# KiCad board Video Board - Signals.kicad_pcb (continued)
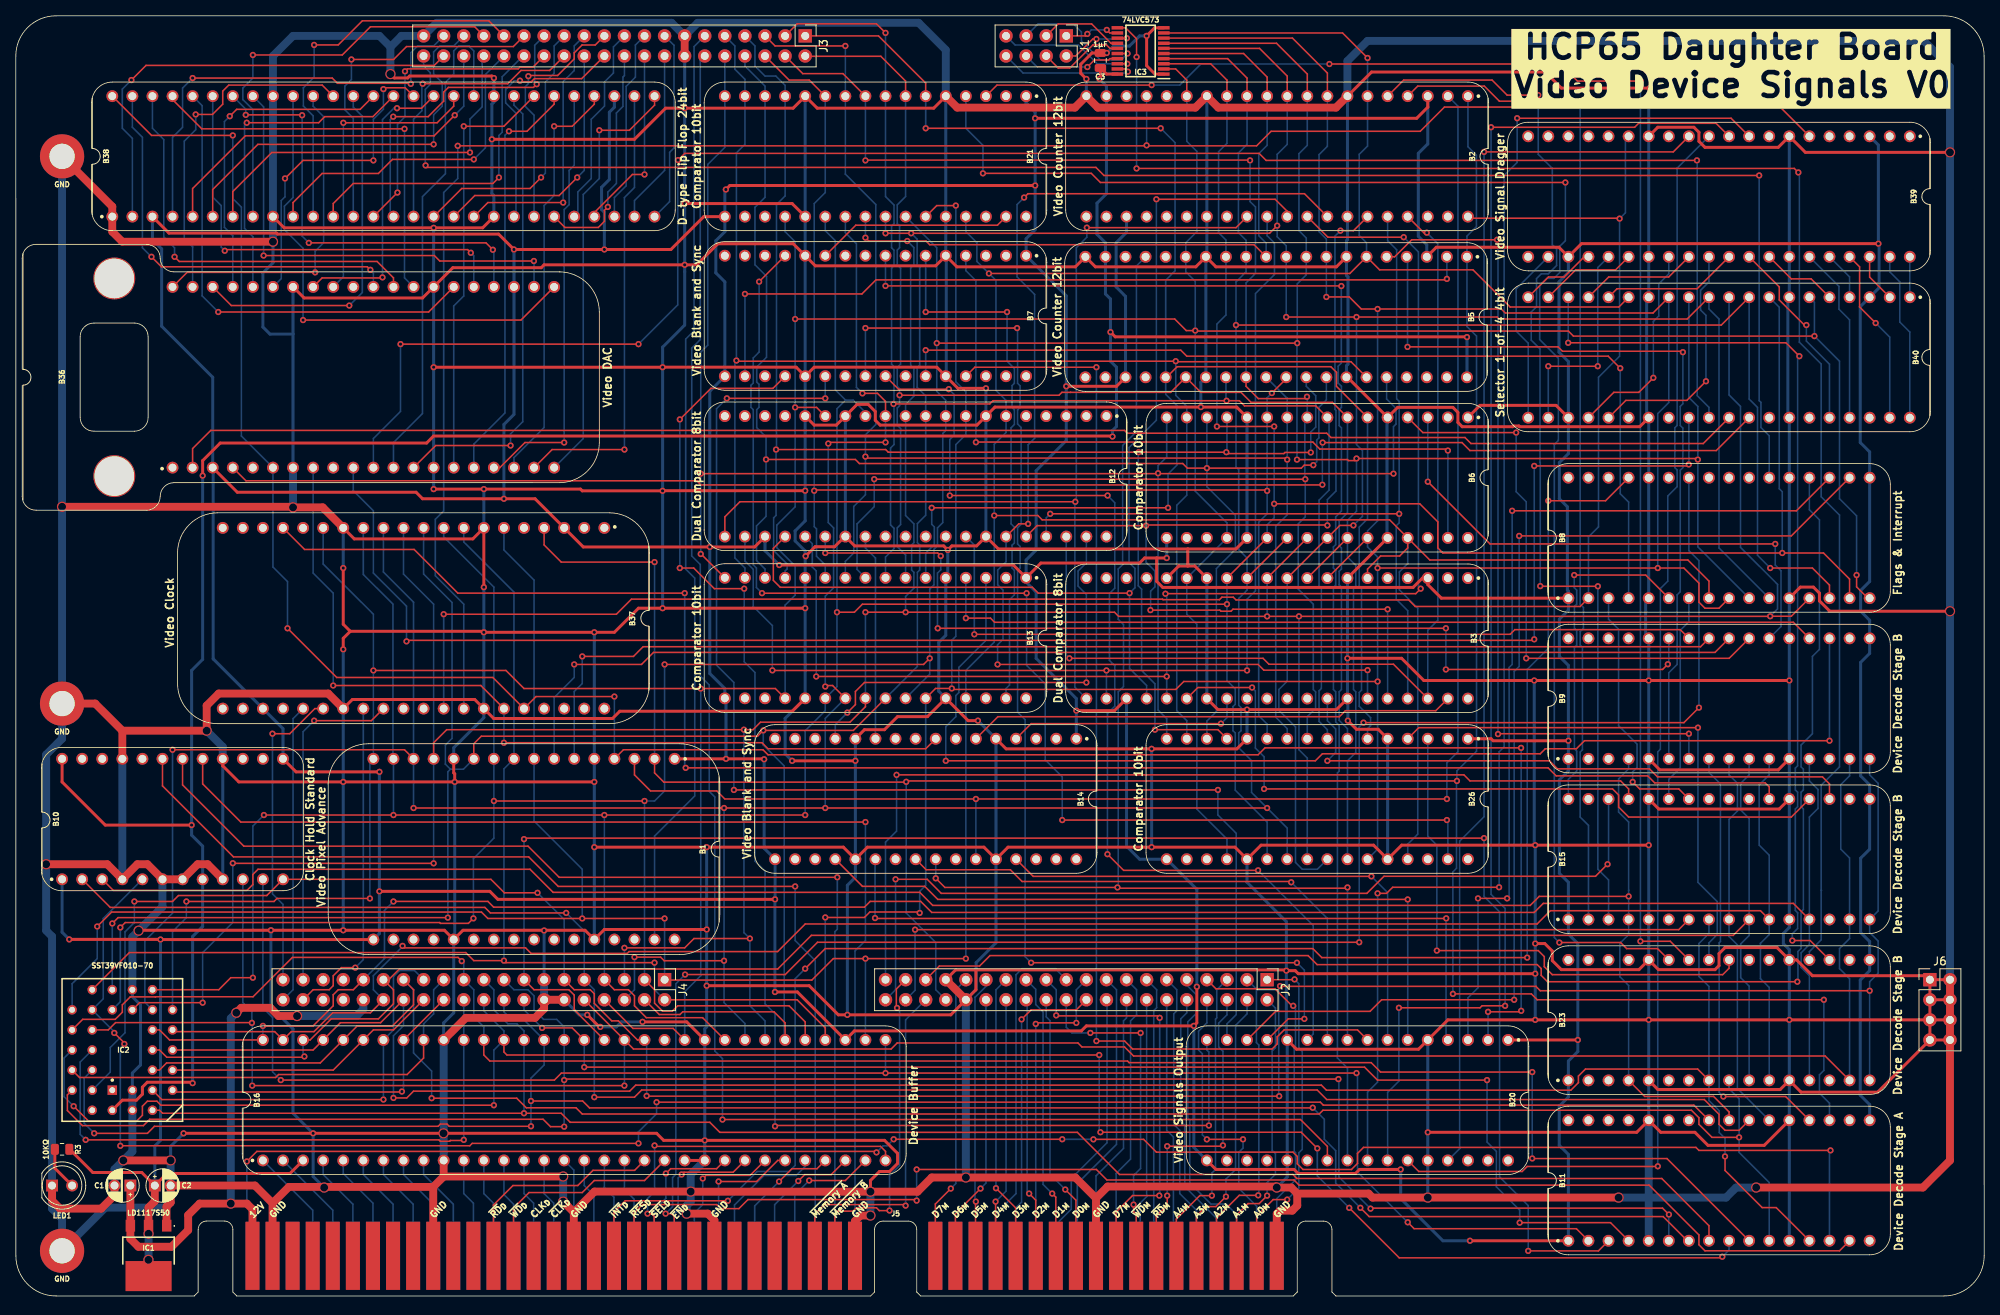
[diagram p0: board, top side]
## Routing (per net, layer and track width the routed paths; a pad name or vN(x,y) marks a point on that pad's centre or on a via; arc(x,y) is an arc through that point) (continued)
/Advance Pixel: length 117.3
  Bottom w0.2: 80.78,45.67 80.78,58.17 85.86,63.25 85.86,90.8 84.72,91.95 84.72,121.03 85.78,122.09 85.78,158.03 J3.11
/Blue0: length 24.4
  Bottom w0.2: J3.15 83.24,158.19 83.24,145.21 82.69,144.65 82.69,138.43 B38.28
/Blue1: length 21.9
  Bottom w0.2: B38.27 78.24,138.56 82.05,142.37 J3.16
/Blue2: length 24.4
  Bottom w0.2: J3.17 78.36,158.23 78.36,154.17 77.19,153 77.19,140.43 75.7,138.94 B38.26
/Blue3: length 23.3
  Top w0.2: v1(79.51,141.86) 77.98,141.86 73.16,137.04
  Bottom w0.2: J3.18 v1(79.51,141.86)
/Blue4: length 25.3
  Bottom w0.2: J3.19 75.58,158 75.58,154.69 74.45,153.57 74.45,150.52 72.77,148.84 72.77,141.34 71.08,139.65 71.08,136.53
/Blue5: length 29.2
  Top w0.2: v1(74.87,137.75) 74.43,137.31 74.43,135.92 73.67,135.15 69.45,135.15 B38.23
  Bottom w0.2: v1(74.87,137.75) 74.87,139.63 75.95,140.72 75.95,149.63 76.79,150.47 76.79,154.18 76.97,154.36 J3.20
/Blue6: length 30.5
  Top w0.2: v1(64.82,154.29) 64.91,154.38 68.53,154.38 70.62,156.47 70.62,157.24 71.61,158.23 73.28,158.23 J3.21
  Bottom w0.2: B38.22 65.54,149.35 64.44,150.45 64.44,152.97 64.82,153.35 v1(64.82,154.29)
/Blue7: length 30.7
  Top w0.2: J3.22 71.56,153.98 65.58,153.98 65.19,153.58 63.89,153.58 v1(63.76,153.72)
  Bottom w0.2: 63.25,136.78 63.25,149.61 61.95,150.91 61.95,152.62 63.05,153.72 v1(63.76,153.72)
/D0: length 546.6
  Top w0.2: B13.20 96.05,76.84 v1(86.62,76.84) 64.27,76.84 61.98,79.12 v1(45.22,79.12) ; v1(98.56,123.57) 146.57,123.57 148.03,122.11 v1(149.16,122.11) 149.23,122.05 196.35,122.05 196.98,121.41 v1(227.47,121.41) ; v1(44.78,50.28) 33.03,50.28 32.65,49.9 v1(21.57,49.9) ; IC3.2 146.68,155.21 148.09,153.8 B2.15 ; J4.8 78.05,33.84 83.13,33.84 B16.43 ; v1(232.8,91.19) 232.8,89.69 234.23,88.27 ; v1(98.56,112.4) 101.27,112.4 B12.15
  Bottom w0.2: v1(21.57,49.9) 21.57,47.85 19.82,46.1 IC2.13 ; 44.78,67.51 v1(44.78,50.28) ; B2.15 148.09,146.05 149.36,144.78 149.36,134.62 147.96,133.22 B5.15 147.96,129.54 149.16,128.34 v1(149.16,122.11) 149.16,101.8 153.17,97.79 B6.20 B3.15 148.09,86.23 149.36,84.96 149.36,61.6 153.17,57.79 B26.20 ; B21.20 97.29,134.62 98.56,133.35 v1(98.56,123.57) v1(98.56,112.4) 98.56,99.82 96.24,97.5 96.24,94.65 98.56,92.33 98.56,88.65 97.29,87.38 B13.20 ; B37.15 38.87,92.58 45.22,86.23 v1(45.22,79.12) B1.16 ; v1(86.62,76.84) 86.62,40.51 84.59,38.48 B16.43 ; v1(232.8,91.19) 232.8,98.68 230.64,100.84 230.64,118.24 v1(227.47,121.41) 227.47,125.7 B40.6
/D1: length 547.3
  Top w0.2: J4.7 75.7,38.74 77.48,38.74 78.24,37.97 78.24,36.7 79.75,35.2 86.86,35.2 B16.41 ; v1(153.17,87.5) 107.07,87.5 106.05,86.49 v1(103.85,86.49) ; v1(99.83,60.83) v1(74.43,60.83) v1(47.76,60.83) v1(31.38,60.83) ; v1(159.14,109.98) v1(151.9,109.98) ; IC2.14 25.66,38.74 27.19,40.26 v1(29.98,40.26) ; B8.15 231.91,90.68 228.61,93.98 v1(223.4,93.98) 180.47,93.98 179.84,94.62 179.84,97.92 177.55,100.2 v1(159.14,100.2) ; IC3.3 151.11,155.86 153.17,153.8 B2.13 ; B3.13 B6.22
  Bottom w0.2: B21.22 102.37,134.75 103.64,133.48 103.64,114.62 104.94,113.32 ; v1(29.98,40.26) 29.98,59.44 v1(31.38,60.83) ; 107.45,111.76 105.89,113.32 104.94,113.32 ; 104.94,113.32 103.85,112.22 v1(103.85,86.49) 103.85,77.08 B13.22 102.37,74.04 99.83,71.5 v1(99.83,60.83) ; B37.13 43.95,91.26 47.69,87.51 47.69,68.01 ; B3.13 v1(153.17,87.5) 153.17,77.85 154.22,76.8 154.22,74.84 153.93,74.55 153.93,71.5 154.22,71.21 154.22,63.97 158.25,59.94 B26.22 ; B6.22 158.25,97.54 159.14,98.43 v1(159.14,100.2) 159.14,109.98 v1(159.14,109.98) ; J4.7 v1(74.43,60.83) ; B1.15 v1(47.76,60.83) ; B40.8 223.02,125.06 223.02,102.11 223.4,101.73 v1(223.4,93.98) ; B2.13 153.17,145.8 152.11,144.74 152.11,134.49 153.04,133.56 B5.13 153.04,124.08 151.9,122.94 v1(151.9,109.98)
/D2: length 581.2
  Top w0.2: v1(19.82,69.09) 49.16,69.09 B1.14 ; v1(154.31,122.81) 215.69,122.81 B40.9 ; v1(107.07,114.17) 108.97,114.17 109.99,113.16 B12.12 ; IC3.4 153.26,156.51 155.71,154.05 B2.12 ; v1(78.24,42.86) 81.54,42.86 82,42.4 v1(89.57,42.4) ; 104.6,75.91 103.3,77.22 102.5,77.22 v1(102.37,77.09) ; v1(50.3,61.72) v1(89.57,61.72) v1(102.37,61.72) v1(158.25,61.72) ; B8.14 229.37,89.92 227.21,92.08 v1(221.88,92.08) ; v1(102.75,107.82) 102.9,107.97 v1(109.99,107.97) ; B3.12 B6.23
  Bottom w0.2: v1(78.24,42.86) 78.24,38.74 J4.6 ; B12.12 v1(109.99,107.97) ; v1(221.88,92.08) 220.27,93.69 220.27,112.4 219.21,113.45 B40.9 ; v1(19.82,69.09) 19.82,48.42 16.32,44.92 16.32,37.15 IC2.15 ; B13.23 102.37,73.06 v1(102.37,61.72) ; v1(102.37,77.09) 102.37,88.52 103.42,89.57 103.42,97.16 102.75,97.83 v1(102.75,107.82) ; B21.23 104.91,134.49 106.31,133.1 106.31,114.94 v1(107.07,114.17) ; v1(89.57,61.72) v1(89.57,42.4) 89.57,37.11 92.21,34.47 B16.40 ; B2.12 155.71,145.67 154.62,144.58 154.62,134.49 155.58,133.53 B5.12 155.58,129.54 154.31,128.27 v1(154.31,122.81) 154.31,104.86 154.65,104.52 154.65,94.4 155.71,93.35 B3.12 155.71,89.28 154.66,88.23 154.66,74.71 154.95,74.42 154.95,71.5 154.66,71.21 154.66,69.33 156.28,67.71 156.28,63.69 v1(158.25,61.72) 160.79,59.18 B26.23 ; v1(50.3,61.72) B1.14 50.3,87.76 46.49,91.57 B37.12
/D3: length 577.5
  Top w0.2: v1(27.44,54.74) 27.45,54.73 v1(52.84,54.73) ; B5.11 156.6,132.97 115.58,132.97 115.11,133.44 v1(112.74,133.44) 107.87,133.44 v1(107.45,133.86) ; v1(23.63,37.1) 15.64,37.1 IC2.17 ; B2.11 158.25,154.18 155.27,157.16 IC3.5 ; B8.13 224.54,85.98 v1(221.88,85.98) 221.86,85.96 v1(162.28,85.96) v1(158.25,85.96) 139.47,85.96 138.95,86.49 v1(112.53,86.49) v1(107.45,86.49) ; B13.24 107.45,74.54 105.49,72.58 94.18,72.58 93.23,71.63 v1(92.08,71.63) 54.49,71.63 52.84,69.98 B1.13 ; B3.11 B6.24 ; v1(92.83,45.21) 85.77,45.21 84.59,44.03 v1(76.97,44.03)
  Bottom w0.2: v1(23.63,37.1) 23.63,43.43 27.44,47.24 v1(27.44,54.74) ; B40.10 216.67,113.97 218.12,112.52 218.12,94.69 222.8,90.01 222.8,86.9 v1(221.88,85.98) ; B16.39 94.75,34.8 92.83,36.71 v1(92.83,45.21) 92.08,45.96 v1(92.08,71.63) ; v1(52.84,54.73) B1.13 52.84,87.5 49.03,91.31 B37.11 ; v1(112.53,86.49) 112.53,88.48 113.58,89.53 113.58,91.53 113.29,91.82 113.29,95 113.58,95.29 113.58,97.66 112.53,98.71 B12.11 112.53,112.78 113.58,113.83 113.58,117.31 113.17,117.73 113.17,130.01 113.58,130.43 113.58,132.6 v1(112.74,133.44) ; v1(158.25,85.96) B3.11 ; B5.11 158.12,133.18 157.19,134.11 157.19,144.49 158.25,145.54 B2.11 ; B13.24 v1(107.45,86.49) ; v1(162.28,85.96) 162.28,69.09 163.33,68.04 B26.24 ; J4.5 v1(76.97,44.03) ; B21.24 v1(107.45,133.86)
/D4: length 563.2
  Top w0.2: IC3.6 157.29,157.81 160.79,154.31 B2.10 ; B3.10 B6.25 167.46,97.47 v1(169.16,97.47) ; v1(159.52,135.38) 158.56,134.42 v1(113.24,134.42) v1(109.99,134.42) ; B16.38 97.29,34.54 95.89,35.94 84.34,35.94 83.99,35.6 81.38,35.6 J4.4 ; v1(160.66,123.83) v1(169.55,123.83) 187.33,123.83 187.59,123.57 211.37,123.57 B40.11 ; v1(54.64,47.86) 12.94,47.86 v1(12.2,47.12) ; B13.25 105.93,71.54 v1(94.53,71.54) 93.8,70.8 58.87,70.8 57.92,69.85 B1.11
  Bottom w0.2: 97.17,32.5 97.17,67.04 94.53,69.69 v1(94.53,71.54) ; B1.11 56.6,66.63 54.96,66.63 ; 54.96,66.63 54.32,67.27 54.32,69.68 55.17,70.53 55.17,87.72 51.57,91.31 B37.10 ; 54.96,66.63 54.64,66.3 v1(54.64,47.86) ; IC2.18 v1(12.2,47.12) ; B13.25 114.02,79.63 114.02,91.53 114.31,91.82 114.31,95 114.02,95.29 114.02,97.7 115.07,98.75 B12.10 115.07,113.85 113.98,114.94 113.98,117.4 114.31,117.73 114.31,130.1 113.98,130.43 113.98,133.67 v1(113.24,134.42) ; v1(169.16,97.47) 170.3,98.61 170.3,106.95 169.55,107.7 v1(169.55,123.83) ; B26.25 164.6,53.98 162.69,53.98 161.84,54.83 161.84,71.97 159.74,74.08 159.74,76.71 160.79,77.76 B3.10 ; B8.11 215.4,94.62 215.4,123.57 214.13,124.84 B40.11 ; B2.10 160.79,145.67 159.52,144.4 v1(159.52,135.38) 159.52,133.99 160.66,132.84 B5.10 v1(160.66,123.83) ; B21.25 v1(109.99,134.42)
/D5: length 562.2
  Top w0.2: J4.3 80.78,38.74 80.78,37.03 81.8,36.02 83.01,36.02 83.7,36.7 97.8,36.7 99.83,34.67 B16.37 ; v1(212.72,105.79) 212.58,105.93 v1(169.55,105.93) 169.29,105.66 168.54,105.66 168.41,105.79 v1(162.03,105.79) ; v1(79.51,62.61) v1(60.46,62.61) ; v1(13.22,46.61) 13.84,47.23 53.6,47.23 53.7,47.13 57.24,47.13 v1(57.87,47.77) ; B2.9 163.33,154.56 159.43,158.46 IC3.7 ; v1(162.06,120.52) v1(116.47,120.52) ; B3.9 B6.26 ; v1(82.05,79.88) 114.8,79.88 v1(115.58,80.66)
  Bottom w0.2: v1(169.55,105.93) 169.55,99.26 168.41,98.11 B6.26 168.41,93.47 169.46,92.42 169.46,89.82 169.17,89.54 169.17,76.71 169.46,76.42 169.46,68.74 168.41,67.69 B26.26 ; v1(13.22,46.61) 13.22,37.21 IC2.19 ; J4.3 v1(79.51,62.61) 80.78,62.61 82.05,63.88 v1(82.05,79.88) ; v1(57.87,47.77) 57.87,55.32 60.46,57.91 v1(60.46,62.61) B1.10 60.46,89.66 54.11,96.01 B37.9 ; B8.10 212.72,94.75 v1(212.72,105.79) 212.72,112.51 211.59,113.64 B40.12 ; B2.9 163.33,145.54 162.27,144.49 162.27,134.75 163.2,133.82 B5.9 163.2,129.16 162.06,128.02 v1(162.06,120.52) 162.03,120.49 v1(162.03,105.79) ; B13.26 115.58,78.65 v1(115.58,80.66) 115.58,89.41 116.12,89.95 116.12,94.45 116.56,94.89 116.56,97.16 117.23,97.82 117.23,109.09 117.61,109.47 B12.9 117.61,113.28 116.47,114.43 v1(116.47,120.52) 116.47,132.59 B21.26
/D6: length 598.1
  Top w0.2: v1(165.74,126.37) 168.64,126.37 170.16,124.84 v1(172.22,124.84) 187.87,124.84 188.38,124.33 207.05,124.33 B40.13 ; B16.36 102.37,33.91 98.81,37.47 J4.2 ; v1(80.77,42.16) 61.99,42.16 v1(61.73,42.42) 57.92,42.42 56.9,43.43 14.36,43.43 IC2.20 ; B8.9 215.4,87 213.62,87 212.86,87.76 212.86,90.17 210.95,92.08 v1(207.65,92.08) v1(172.22,92.08) ; IC3.8 161.45,159.11 165.87,154.69 B2.8 ; B3.8 B6.27 ; v1(172.22,77.72) 147.71,77.72 146.7,76.72 118.5,76.72 v1(118.37,76.85) 116.32,76.85 B13.27 ; B21.27 116.47,137.92 v1(118.88,137.92) ; v1(114.31,48.45) 114.19,48.57 108.01,48.57 107.32,47.88 v1(102.37,47.88)
  Bottom w0.2: B12.8 120.15,114.36 118.88,115.63 v1(118.88,137.92) ; 120.15,110.98 120.15,108.96 118.88,107.69 118.88,83.44 118.37,82.93 v1(118.37,76.85) ; v1(61.73,42.42) 61.73,66.68 B1.9 63,89.03 56.65,95.38 B37.8 ; B13.27 115.07,51.94 114.31,51.18 v1(114.31,48.45) ; v1(80.77,42.16) 80.77,38.74 J4.2 ; B26.27 172.22,56.52 v1(172.22,77.72) v1(172.22,92.08) 172.22,93.47 170.95,94.74 B6.27 170.95,96.77 172.22,98.04 v1(172.22,124.84) ; v1(207.65,92.08) 207.65,111.61 209.05,113.01 B40.13 ; B16.36 v1(102.37,47.88) ; B2.8 165.87,145.42 164.81,144.36 164.81,134.62 165.74,133.69 B5.8 v1(165.74,126.37)
/D7: length 578.6
  Top w0.2: B40.15 202.73,125.1 188.98,125.1 184.28,129.79 172.47,129.79 B5.6 168.71,129.34 v1(123.07,129.34) ; v1(10.3,46.74) 12.12,48.56 58.89,48.56 59.7,47.75 v1(71.64,47.75) v1(82.05,47.75) ; v1(123.74,98.71) 129.26,98.71 129.8,98.17 173.74,98.17 B6.29 ; v1(170.95,156.59) 167.79,159.76 IC3.9 ; B6.29 178.82,93.09 211.46,93.09 214.13,90.42 B8.8 ; B6.29 176.03,94.62 175.01,93.6 172.6,93.6 170.95,91.95 B3.6 ; v1(120.15,42.67) v1(107.45,42.67) 103.39,42.67 100.67,39.96 82.1,39.96
  Bottom w0.2: B21.29 120.15,134.62 121.55,133.22 121.55,130.86 v1(123.07,129.34) 123.96,128.45 123.96,114.55 125.23,113.28 B12.6 125.23,109.22 123.74,107.73 v1(123.74,98.71) 123.74,82.71 120.15,79.12 B13.29 v1(120.15,42.67) ; IC2.21 7.12,39.5 10.3,42.67 v1(10.3,46.74) ; B5.6 170.82,133.22 169.89,134.15 169.89,144.4 170.95,145.45 B2.6 v1(170.95,156.59) ; B37.6 61.73,94.36 65.54,90.55 B1.8 65.54,60.07 71.64,53.98 v1(71.64,47.75) ; B6.29 176.03,92.65 174.98,91.59 174.98,89.32 177.3,87 177.3,58.42 176.03,57.15 B26.29 ; J4.1 v1(82.05,47.75) ; B16.34 v1(107.45,42.67)
/First Pixel: length 156.1
  Top w0.2: v1(168.41,51.68) 168.31,51.58 139.43,51.58 v1(139.33,51.68) 117.5,51.68 v1(116.34,52.83)
  Bottom w0.2: B14.25 v1(116.34,52.83) ; B5.17 141.72,130.29 141.72,109.33 139.98,107.59 139.98,92.51 139.42,91.95 139.42,85.6 140.09,84.93 140.09,77.09 139.42,76.42 139.42,51.77 v1(139.33,51.68) ; B20.9 v1(168.41,51.68)
/First Pixel HC: length 174.2
  Top w0.2: v1(109.99,127.76) 167.62,127.76 v1(167.64,127.74)
  Bottom w0.2: B7.8 v1(109.99,127.76) ; B20.24 168.41,28.83 167.14,30.1 167.14,66.17 167.36,66.39 167.36,72.17 166.92,72.61 166.92,76.42 166.63,76.71 166.63,89.62 166.92,89.91 166.92,91.79 166.63,92.08 166.63,94.74 166.92,95.03 166.92,98.55 167.65,99.28 167.65,109.81 167.36,110.1 167.36,112.11 167.65,112.4 167.65,115.06 167.23,115.48 167.23,117.6 167.64,118 v1(167.64,127.74)
/First Row: length 133.8
  Top w0.2: v1(117.99,114.7) 111.63,114.7 B7.25 ; v1(157.11,53.84) 140.1,53.84 v1(138.06,55.88) ; v1(118.12,101.25) v1(138.07,101.25)
  Bottom w0.2: B20.11 164.08,33.14 164.08,46.86 v1(157.11,53.84) ; v1(118.12,101.25) 118.12,108.33 118.66,108.88 118.66,114.03 v1(117.99,114.7) ; v1(138.07,101.25) 138.98,100.34 138.98,89.54 138.31,88.86 138.31,80.39 138.98,79.72 138.98,74.59 138.06,73.66 v1(138.06,55.88)
/Green0: length 34.2
  Top w0.2: B38.19 59.7,138.3 v1(69.22,138.3)
  Bottom w0.2: J3.23 70.62,158.12 70.62,155.01 69.22,153.61 v1(69.22,138.3)
/Green1: length 33.4
  Top w0.2: v1(71,141.48) 68.72,139.19 58.05,139.19 B38.18
  Bottom w0.2: J3.24 71.89,142.37 v1(71,141.48)
/Green2: length 34.8
  Top w0.2: B38.17 56.4,140.08 65.03,140.08 v1(66.43,141.48)
  Bottom w0.2: v1(66.43,141.48) 66.97,142.02 66.97,153.54 68.08,154.65 68.08,158.12 J3.25
/Green3: length 36.6
  Top w0.2: v1(51.45,153.33) 62.22,153.33 63.9,155.02 67.52,155.02 J3.26
  Bottom w0.2: v1(51.45,153.33) 51.35,153.23 51.35,149.92 50.3,148.86 B38.16
/Green4: length 39.6
  Top w0.2: v1(65.87,153.27) 65.47,152.87 54.71,152.87 54.11,152.27 54.11,151.13 52.15,149.17 v1(47.73,149.17)
  Bottom w0.2: v1(47.73,149.17) 47.36,148.79 47.36,136.93 ; v1(65.87,153.27) 65.62,153.52 65.62,158.2 J3.27
/Green5: length 38.4
  Top w0.2: v1(49.22,154.9) 49.53,155.21 63.53,155.21 63.73,155.42 65.38,155.42 J3.28 ; B38.14 v1(48.27,139.57)
  Bottom w0.2: v1(48.27,139.57) 48.27,148.21 49.22,149.16 v1(49.22,154.9)
/Green6: length 43.7
  Top w0.2: J3.29 62.92,158.04 49.41,158.04 47.78,156.4 v1(42.44,156.4)
  Bottom w0.2: v1(42.44,156.4) 42.44,153.86 41.61,153.04 41.61,150.04 42.68,148.97 B38.13
/Green7: length 40.6
  Top w0.2: B38.12 40.14,138.18 42.68,140.72 60.33,140.72 v1(61.09,141.48)
  Bottom w0.2: v1(61.09,141.48) 61.09,146.78 61.51,147.2 61.51,154.21 64.14,156.85
/H3: length 129.2
  Top w0.2: v1(135.45,135.13) 154.31,135.13 B2.29 ; B12.21 89.67,98.55 91.58,100.46 v1(133.99,100.46)
  Bottom w0.2: B3.21 133.94,77.02 133.94,100.41 v1(133.99,100.46) 134.12,100.59 134.12,132.59 135.45,133.92 v1(135.45,135.13)
/H4: length 141.2
  Top w0.2: v1(155.71,79.12) v1(137.93,79.12) 95.69,79.12 v1(95.68,79.13)
  Bottom w0.2: v1(137.93,79.12) B3.22 ; v1(155.71,79.12) 155.71,88.14 156.78,89.21 156.78,126.8 159.18,129.2 159.18,133.18 158.25,134.11 B2.30 ; B12.22 92.21,92.96 93.26,91.91 93.26,87.22 95.68,84.79 v1(95.68,79.13)
/H5: length 135.8
  Top w0.2: B12.24 95.8,94.57 95.8,90.52 96.68,89.64 128.55,89.64 129.29,88.9 v1(140.85,88.9) ; B2.31 160.79,137.2 159.27,138.72 v1(144.24,138.72)
  Bottom w0.2: B3.24 143.01,77.22 140.85,79.38 v1(140.85,88.9) 141.53,89.58 141.53,92.03 140.79,92.77 140.79,107.32 144.24,110.78 v1(144.24,138.72)
/H6: length 167.1
  Top w0.2: v1(177.67,89.47) 177.04,88.83 145.4,88.83 v1(145.39,88.82) ; v1(145.55,78.36) v1(101.23,78.36) ; v1(175.52,133.92) 165.93,133.92 B2.32
  Bottom w0.2: B12.25 100.73,95.15 100.73,92.2 101.23,91.71 v1(101.23,78.36) ; v1(175.52,133.92) 177.38,132.06 177.38,89.75 v1(177.67,89.47) ; v1(145.39,88.82) 145.4,88.82 145.55,88.68 v1(145.55,78.36) B3.25
/H7: length 154
  Top w0.2: B2.33 162.97,139.42 128,139.42 v1(127.52,138.94) ; v1(124.16,79.88) 157.11,79.88 157.83,79.16 v1(170.95,79.16) ; v1(128.02,97.66) 126.84,97.66 B12.35
  Bottom w0.2: B12.35 125.23,92.87 124.18,91.82 124.18,89.95 124.85,89.28 124.85,83.06 124.16,82.37 v1(124.16,79.88) ; v1(127.52,138.94) 126.63,138.05 126.63,128.91 128.85,126.68 128.85,108.5 128.02,107.67 v1(128.02,97.66) ; B3.35 v1(170.95,79.16)
/H8: length 133.8
  Top w0.2: v1(165.87,97.47) 165.82,97.52 143.02,97.52 v1(142.94,97.44) 129.15,97.44 B12.36 ; v1(173.49,86.86) 173.48,86.87 153.93,86.87 153.68,86.61 152.41,86.61 152.27,86.75 v1(143.49,86.75) ; B2.35 169.17,134.75 v1(167.52,134.75)
  Bottom w0.2: v1(165.87,97.47) 165.87,100.73 166.96,101.82 166.96,112.01 166.83,112.14 166.83,134.06 v1(167.52,134.75) ; v1(142.94,97.44) 142.94,92.82 144.06,91.69 144.06,89.7 143.52,89.15 143.52,86.78 v1(143.49,86.75) ; v1(173.49,86.86) B3.36
/H9: length 109.5
  Top w0.2: v1(130.82,98.93) v1(174.95,98.93)
  Bottom w0.2: B3.37 176.03,86.68 174.58,88.14 174.58,97.41 174.95,97.78 v1(174.95,98.93) 174.95,113.16 174.63,113.47 174.63,132.33 173.49,133.48 B2.36 ; v1(130.82,98.93) 130.31,98.43 B12.37
/H10: length 126.3
  Top w0.2: v1(133.24,80.66) 157.73,80.66 158.48,79.91 174.23,79.91 B3.38 ; v1(178.44,134.49) 178.06,134.49 B2.37
  Bottom w0.2: B3.38 178.57,84.2 179.84,85.47 179.84,133.1 v1(178.44,134.49) ; v1(133.24,80.66) 132.85,81.05 B12.38
/HCBlue0: length 54.5
  Top w0.2: v1(73.8,147.45) 77.61,147.45 80.78,150.62 B38.29
  Bottom w0.2: v1(73.8,147.45) 73.8,141.35 71.76,139.32 71.76,108.46 B36.20
/HCBlue1: length 57.6
  Top w0.2: v1(76.97,107.06) 67.83,107.06 B36.19
  Bottom w0.2: v1(76.97,107.06) 76.97,138.94 78.24,140.21 B38.30
/HCBlue2: length 52.5
  Top w0.2: B38.32 73.16,150.75 70.37,147.96 v1(68.08,147.96)
  Bottom w0.2: B36.18 63,106.05 66.81,109.86 66.81,137.93 68.08,139.2 v1(68.08,147.96)
/HCBlue3: length 54.5
  Top w0.2: B36.17 61.21,104.78 64.39,107.95 v1(69.35,107.95)
  Bottom w0.2: v1(69.35,107.95) 69.35,137.41 69.97,138.04 69.97,142.37 70.62,143.01 B38.33
/HCBlue4: length 52.5
  Top w0.2: B38.34 68.08,150.75 64.65,147.32 v1(62.36,147.32)
  Bottom w0.2: v1(62.36,147.32) 61.86,146.81 61.86,111.69 57.92,107.75 B36.16
/HCBlue5: length 54.2
  Top w0.2: B38.35 61.73,147.96 v1(56.65,147.96)
  Bottom w0.2: B36.15 55.38,125.22 56.65,126.49 v1(56.65,147.96)
/HCBlue6: length 58.7
  Top w0.2: v1(62.57,107.57) 53.09,107.57 B36.13
  Bottom w0.2: v1(62.57,107.57) 62.57,109.04 64.11,110.59 64.11,149.51 63,150.62 B38.36
/HCBlue7: length 64.6
  Bottom w0.2: B36.12 47.76,107.95 51.43,111.62 51.43,139.05 54.33,141.95 54.33,153.51 55.38,154.56 55.38,157.48 56.02,158.12 57.28,158.12 57.92,157.48 B38.38
/HCGreen0: length 37.4
  Top w0.2: v1(41.42,148.39) 53.28,148.39 55.38,150.5 B38.39
  Bottom w0.2: B36.32 41.42,128.92 v1(41.42,148.39)
/HCGreen1: length 36.9
  Top w0.2: B38.40 51.32,150.24 v1(48.21,150.24) ; v1(46.37,128.84) 46.3,128.77 38.74,128.77 B36.33
  Bottom w0.2: v1(48.21,150.24) 47.81,150.24 46.37,148.8 v1(46.37,128.84)
/HCGreen2: length 40.3
  Top w0.2: v1(46.49,152.65) 46.65,152.82 49.25,152.82 B38.41 ; v1(45.22,143.64) 36.33,143.64 v1(34.04,141.35)
  Bottom w0.2: v1(34.04,141.35) 34.04,139.03 33.57,138.56 33.57,128.69 B36.35 ; v1(46.49,152.65) 46.49,150.11 45.22,148.84 v1(45.22,143.64)
/HCGreen3: length 41.3
  Top w0.2: B38.42 45.17,149.17 39.07,149.17 38.3,148.4 v1(29.21,148.4)
  Bottom w0.2: B36.36 29.98,133.99 28.93,135.04 28.93,148.12 v1(29.21,148.4)
/HCGreen4: length 41.5
  Top w0.2: B38.43 43.55,150.1 27.93,150.1 v1(27.06,149.23)
  Bottom w0.2: B36.37 27.44,134.11 26.38,135.17 26.38,148.55 v1(27.06,149.23)
/HCGreen5: length 45.9
  Top w0.2: B36.38 27.26,125.28 v1(42.17,125.28)
  Bottom w0.2: B38.44 42.68,150.37 43.82,149.23 43.82,126.93 v1(42.17,125.28)
/HCGreen6: length 43.3
  Top w0.2: B38.45 38.74,153.16 26.93,153.16 26.17,152.4 26.17,150.75 24.87,149.45 v1(22.75,149.45)
  Bottom w0.2: B36.39 22.36,132.72 21.31,133.77 21.31,146.08 22.75,147.52 v1(22.75,149.45)
/HCGreen7: length 42.1
  Top w0.2: B36.40 21.66,129.47 v1(37.85,129.47)
  Bottom w0.2: v1(37.85,129.47) 37.85,132.15 38.93,133.22 38.93,149.17 37.6,150.5 B38.46
/HCRed0: length 63.2
  Top w0.2: B36.21 63.88,123.44 v1(36.33,123.44)
  Bottom w0.2: v1(36.33,123.44) 36.33,132.51 33.97,134.87 33.97,137.85 35.06,138.94 B38.47
/HCRed1: length 58.5
  Top w0.2: v1(31.34,131.6) 52.93,131.6 53.62,130.91 v1(65.52,130.91)
  Bottom w0.2: B38.49 31.34,150.41 v1(31.34,131.6) ; B36.22 65.54,130.89 v1(65.52,130.91)
/HCRed2: length 55.1
  Top w0.2: v1(29.08,149.4) 36.16,149.4 v1(36.21,149.35) ; v1(37.06,133.21) 59.46,133.21 v1(60.33,132.33)
  Bottom w0.2: v1(29.08,149.4) 29.08,150.12 B38.50 ; v1(60.33,132.33) 60.46,132.21 B36.24 ; v1(36.21,149.35) 36.21,134.06 v1(37.06,133.21)
/HCRed3: length 56
  Top w0.2: v1(57.54,131.95) 57.14,132.35 26.57,132.35 v1(26.42,132.21)
  Bottom w0.2: B36.25 57.92,131.57 v1(57.54,131.95) ; v1(26.42,132.21) 25.97,132.66 25.97,137.92 24.9,139 B38.51
/HCRed4: length 59.7
  Top w0.2: B36.26 52.21,124.46 v1(25.6,124.46)
  Bottom w0.2: B38.52 23.56,150.56 23.56,126.5 v1(25.6,124.46)
/HCRed5: length 51.3
  Top w0.2: 19.82,151.33 23.52,147.63 v1(49.16,147.63)
  Bottom w0.2: B36.28 49.16,128.78 v1(49.16,147.63)
/HCRed6: length 51.4
  Top w0.2: B36.29 47.76,128.78 45.69,130.85 20.67,130.85 v1(20.07,131.45)
  Bottom w0.2: B38.54 17.28,147.7 18.71,146.27 18.71,133.95 20.07,132.59 v1(20.07,131.45)
/HCRed7: length 52
  Top w0.2: v1(44.84,129.79) 44.46,130.18 18.42,130.18 v1(17.15,131.45)
  Bottom w0.2: B36.30 45.22,129.41 v1(44.84,129.79) ; B38.55 14.74,147.83 16.01,146.56 16.01,132.59 v1(17.15,131.45)
/Horizontal Blank: length 67.4
  Top w0.2: B14.29 128.67,53.08 v1(171.44,53.08)
  Bottom w0.2: v1(171.44,53.08) 173.49,51.02 B20.7
/Horizontal Blank _{FINAL}: length 199.7
  Top w0.2: B36.2 22.36,107.19 24.66,109.48 140.22,109.48 140.57,109.13 165.78,109.13 166.33,108.59 183.27,108.59 184.03,107.82 213.4,107.82 B40.31
/Horizontal Blank C3: length 9.7
  Top w0.2: B39.33 224.54,128.65 227.05,128.65 B40.5
/Horizontal Blank C4: length 9.2
  Top w0.2: 198.36,131.45 195.8,128.89 193.83,128.89 B40.20
/Horizontal Blank HC: length 165.7
  Top w0.2: v1(207.66,16.41) 207.64,16.38 191.14,16.38 190.51,15.75 177.43,15.75 B20.27
  Bottom w0.2: v1(207.66,16.41) 207.65,16.41 207.65,68.82 207.98,69.16 207.98,89.49 208.92,90.42 208.92,101.19 210.1,102.36 210.1,104.49 209.81,104.78 209.81,109.82 210.1,110.11 210.1,142.66 B39.11
/Horizontal Blank HC3: length 6.2
  Top w0.2: B40.2 234.45,128.87 B39.38
/Horizontal Blank HC4: length 14.8
  Top w0.2: B40.17 201.45,128.89 209.03,128.89 B39.29
/Horizontal Sync: length 94.8
  Top w0.2: v1(108.66,47.8) 108.72,47.75 180.89,47.75 v1(180.9,47.76)
  Bottom w0.2: 180.88,32.62 180.88,47.74 v1(180.9,47.76) ; 108.66,55.19 v1(108.66,47.8)
/Horizontal Sync _{FINAL}: length 200.1
  Top w0.2: v1(165.27,107.94) 182.89,107.94 183.9,106.93 215.05,106.93 B40.32 ; B36.4 29.1,103.11 86.13,103.11 86.65,102.59 165.21,102.59 v1(165.23,102.62)
  Bottom w0.2: v1(165.23,102.62) 165.23,107.91 v1(165.27,107.94)
/Horizontal Sync C3: length 24.7
  Top w0.2: B39.32 223.02,127.64 223.02,125.98 226.2,122.81 v1(226.45,122.81)
  Bottom w0.2: B40.36 229.37,117.86 226.45,120.78 v1(226.45,122.81)
/Horizontal Sync C4: length 22.7
  Bottom w0.2: B40.21 191.27,120.52 189.75,122.05 189.75,127.38 B39.22
/Horizontal Sync HC: length 156.2
  Top w0.2: v1(185.68,144.71) 209.62,144.71 B39.12
  Bottom w0.2: B20.29 182.6,18.64 182.6,57.54 185.68,60.62 v1(185.68,144.71)
/Horizontal Sync HC3: length 22.5
  Top w0.2: B39.37 233.18,130.18 233.18,125.1 v1(235.21,123.06)
  Bottom w0.2: B40.39 236.99,121.29 v1(235.21,123.06)
/Horizontal Sync HC4: length 26.4
  Top w0.2: B40.24 202.1,114.3 205.26,114.3 v1(207.09,116.14)
  Bottom w0.2: B39.28 209.05,129.29 207.78,128.02 207.78,123.95 207.09,123.27 v1(207.09,116.14)
/Horizontal Sync Polarity: length 113.3
  Top w0.2: v1(188.6,50.29) v1(184.92,50.29) ; v1(189.24,99.31) 225.18,99.31 B8.19
  Bottom w0.2: B20.3 183.65,37.72 184.92,38.99 v1(184.92,50.29) ; v1(189.24,99.31) 189.24,79.88 188.86,79.5 188.86,50.55 v1(188.6,50.29)
/Last Pixel+1: length 70.5
  Top w0.2: B14.24 115.13,53.91 125.78,53.91 127.26,52.43 161.2,52.43 v1(161.3,52.33)
  Bottom w0.2: v1(161.3,52.33) 165.87,47.76 B20.10
/Last Pixel+1 HC: length 215.8
  Top w0.2: B20.23 165.87,18.92 162.48,22.32 v1(89.37,22.32)
  Bottom w0.2: 86.61,156.32 86.56,156.28 86.56,120.97 85.48,119.89 85.48,93.6 86.56,92.52 86.56,78.42 87.7,77.28 87.7,63.82 88.4,63.12 88.4,30.99 89.37,30.02 v1(89.37,22.32)
/Last Row+1: length 153.7
  Top w0.2: v1(162.96,35.05) 160.92,35.05 B20.13 ; 126.24,122.42 126.24,122.43 v1(107.45,122.43) ; v1(128.4,42.15) v1(162.02,42.15)
  Bottom w0.2: B7.24 v1(107.45,122.43) ; v1(162.96,35.05) 162.96,41.21 v1(162.02,42.15) ; v1(126.63,122.43) 126.69,122.37 126.69,115.44 127.01,115.12 127.01,112.4 126.69,112.08 126.69,110.3 127.14,109.86 127.14,97.6 126.69,97.16 126.69,95.12 127.01,94.8 127.01,92.08 126.69,91.76 126.69,73.85 127.64,72.9 127.64,42.91 v1(128.4,42.15)
/Memory Frame: length 179.3
  Top w0.2: v1(225.31,39.75) 193.71,39.75 192.91,40.55 192.91,41.41 192.41,41.91 164.58,41.91 163.43,43.05 123.2,43.05 121.88,41.74 116.8,41.74 J2.35
  Bottom w0.2: v1(225.31,39.75) 225.38,39.83 225.38,43.57 225.78,43.97 225.78,48.61 226.07,48.9 226.07,61.6 225.78,61.88 225.78,63.72 226.07,64.01 226.07,66.64 225.78,66.93 225.78,69.69 227.21,71.12 227.21,80.9 228.1,81.79 228.1,98.17 226.83,99.44 B8.20
/Palette Write: length 222.4
  Top w0.2: v1(220.48,141.73) 137.62,141.73 136.6,142.75 52.08,142.75 v1(51.82,143)
  Bottom w0.2: v1(220.48,141.73) 220.48,113.25 220.7,113.03 220.7,109.86 221.75,108.81 B8.22 ; J3.40 51.57,155.58 52.42,154.73 52.42,153.25 51.79,152.62 51.79,143.04 v1(51.82,143)